# Altium PCB PCB2.PcbDoc (part 9 of 16) (continued)
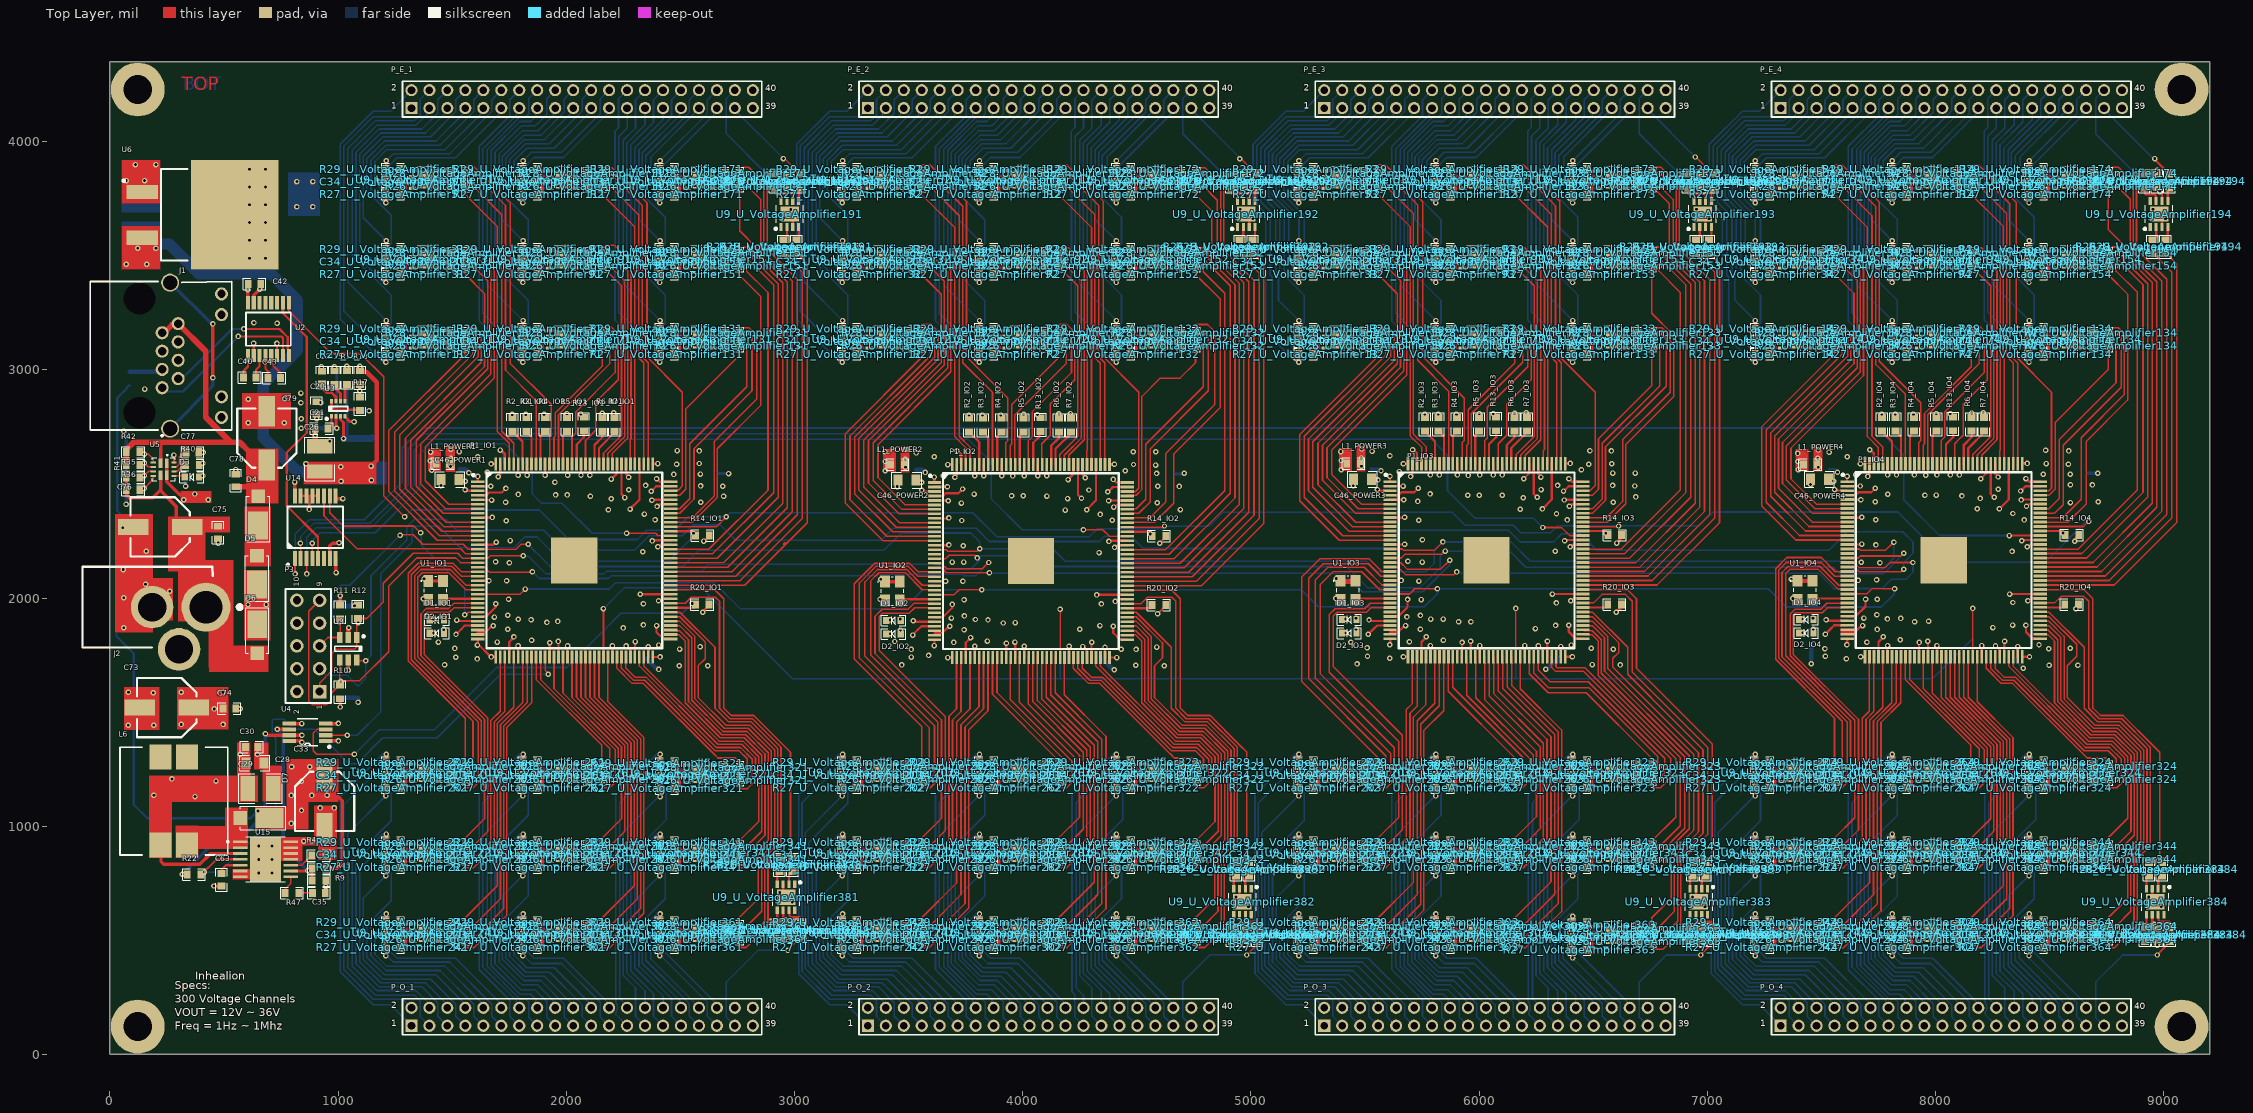
[diagram p0: Top Layer view]
## Nets (pads, with @x,y where several pads share a name; then routed paths per layer and width w, separated by ;. In a path a pad name is that pad's centre, name@x,y a point inside that pad or via, vN(x,y) a via of type N, cw(c..) or ccw(c..) an arc to the next point about the centre after c; other vN are vias at no path point) (continued)
  Top Layer w10: U9_U_VoltageAmplifier381.4@2924.49,745.59 2924.49,791.42 2934.49,801.42 R28_U_VoltageAmplifier381.2@2934.67,801.42
NetR28_U_VoltageAmplifier382_2: R28_U_VoltageAmplifier382.2 U9_U_VoltageAmplifier382.4 | length 60.2
  Top Layer w10: U9_U_VoltageAmplifier382.4@4924.49,725.59 4924.49,771.42 4934.49,781.42 R28_U_VoltageAmplifier382.2@4934.67,781.42
NetR28_U_VoltageAmplifier383_2: R28_U_VoltageAmplifier383.2 U9_U_VoltageAmplifier383.4 | length 60.2
  Top Layer w10: U9_U_VoltageAmplifier383.4@6924.49,725.59 6924.49,771.42 6934.49,781.42 R28_U_VoltageAmplifier383.2@6934.67,781.42
NetR28_U_VoltageAmplifier384_2: R28_U_VoltageAmplifier384.2 U9_U_VoltageAmplifier384.4 | length 60.2
  Top Layer w10: U9_U_VoltageAmplifier384.4@8924.49,725.59 8924.49,771.42 8934.49,781.42 R28_U_VoltageAmplifier384.2@8934.67,781.42
NetR29_U_VoltageAmplifier11_1: R29_U_VoltageAmplifier11.1 U9_U_VoltageAmplifier11.5 | length 59.8
  Top Layer w10: R29_U_VoltageAmplifier11.1@1270.09,3179.18 1276.91,3172.36 U9_U_VoltageAmplifier11.5@1327.09,3172.36
NetR29_U_VoltageAmplifier12_1: R29_U_VoltageAmplifier12.1 U9_U_VoltageAmplifier12.5 | length 59.8
  Top Layer w10: R29_U_VoltageAmplifier12.1@3270.09,3179.18 3276.91,3172.36 U9_U_VoltageAmplifier12.5@3327.09,3172.36
NetR29_U_VoltageAmplifier13_1: R29_U_VoltageAmplifier13.1 U9_U_VoltageAmplifier13.5 | length 59.8
  Top Layer w10: R29_U_VoltageAmplifier13.1@5270.09,3179.18 5276.91,3172.36 U9_U_VoltageAmplifier13.5@5327.09,3172.36
NetR29_U_VoltageAmplifier14_1: R29_U_VoltageAmplifier14.1 U9_U_VoltageAmplifier14.5 | length 59.8
  Top Layer w10: R29_U_VoltageAmplifier14.1@7270.09,3179.18 7276.91,3172.36 U9_U_VoltageAmplifier14.5@7327.09,3172.36
NetR29_U_VoltageAmplifier21_1: R29_U_VoltageAmplifier21.1 U9_U_VoltageAmplifier21.5 | length 69.4
  Bottom Layer w10: R29_U_VoltageAmplifier21.1@1270.09,3069.18 1270.09,3071.68 1294,3095.59 U9_U_VoltageAmplifier21.5@1327.09,3095.59
NetR29_U_VoltageAmplifier22_1: R29_U_VoltageAmplifier22.1 U9_U_VoltageAmplifier22.5 | length 69.4
  Bottom Layer w10: R29_U_VoltageAmplifier22.1@3270.09,3069.18 3270.09,3071.68 3294,3095.59 U9_U_VoltageAmplifier22.5@3327.09,3095.59
NetR29_U_VoltageAmplifier23_1: R29_U_VoltageAmplifier23.1 U9_U_VoltageAmplifier23.5 | length 69.4
  Bottom Layer w10: R29_U_VoltageAmplifier23.1@5270.09,3069.18 5270.09,3071.68 5294,3095.59 U9_U_VoltageAmplifier23.5@5327.09,3095.59
NetR29_U_VoltageAmplifier24_1: R29_U_VoltageAmplifier24.1 U9_U_VoltageAmplifier24.5 | length 69.4
  Bottom Layer w10: R29_U_VoltageAmplifier24.1@7270.09,3069.18 7270.09,3071.68 7294,3095.59 U9_U_VoltageAmplifier24.5@7327.09,3095.59
NetR29_U_VoltageAmplifier31_1: R29_U_VoltageAmplifier31.1 U9_U_VoltageAmplifier31.5 | length 59.8
  Top Layer w10: R29_U_VoltageAmplifier31.1@1270.09,3529.18 1276.91,3522.36 U9_U_VoltageAmplifier31.5@1327.09,3522.36
NetR29_U_VoltageAmplifier32_1: R29_U_VoltageAmplifier32.1 U9_U_VoltageAmplifier32.5 | length 59.8
  Top Layer w10: R29_U_VoltageAmplifier32.1@3270.09,3529.18 3276.91,3522.36 U9_U_VoltageAmplifier32.5@3327.09,3522.36
NetR29_U_VoltageAmplifier33_1: R29_U_VoltageAmplifier33.1 U9_U_VoltageAmplifier33.5 | length 59.8
  Top Layer w10: R29_U_VoltageAmplifier33.1@5270.09,3529.18 5276.91,3522.36 U9_U_VoltageAmplifier33.5@5327.09,3522.36
NetR29_U_VoltageAmplifier34_1: R29_U_VoltageAmplifier34.1 U9_U_VoltageAmplifier34.5 | length 59.8
  Top Layer w10: R29_U_VoltageAmplifier34.1@7270.09,3529.18 7276.91,3522.36 U9_U_VoltageAmplifier34.5@7327.09,3522.36
NetR29_U_VoltageAmplifier41_1: R29_U_VoltageAmplifier41.1 U9_U_VoltageAmplifier41.5 | length 69.4
  Bottom Layer w10: R29_U_VoltageAmplifier41.1@1270.09,3419.18 1270.09,3421.68 1294,3445.59 U9_U_VoltageAmplifier41.5@1327.09,3445.59
NetR29_U_VoltageAmplifier42_1: R29_U_VoltageAmplifier42.1 U9_U_VoltageAmplifier42.5 | length 69.4
  Bottom Layer w10: R29_U_VoltageAmplifier42.1@3270.09,3419.18 3270.09,3421.68 3294,3445.59 U9_U_VoltageAmplifier42.5@3327.09,3445.59
NetR29_U_VoltageAmplifier43_1: R29_U_VoltageAmplifier43.1 U9_U_VoltageAmplifier43.5 | length 69.4
  Bottom Layer w10: R29_U_VoltageAmplifier43.1@5270.09,3419.18 5270.09,3421.68 5294,3445.59 U9_U_VoltageAmplifier43.5@5327.09,3445.59
NetR29_U_VoltageAmplifier44_1: R29_U_VoltageAmplifier44.1 U9_U_VoltageAmplifier44.5 | length 69.4
  Bottom Layer w10: R29_U_VoltageAmplifier44.1@7270.09,3419.18 7270.09,3421.68 7294,3445.59 U9_U_VoltageAmplifier44.5@7327.09,3445.59
NetR29_U_VoltageAmplifier51_1: R29_U_VoltageAmplifier51.1 U9_U_VoltageAmplifier51.5 | length 59.8
  Top Layer w10: R29_U_VoltageAmplifier51.1@1270.09,3879.18 1276.91,3872.36 U9_U_VoltageAmplifier51.5@1327.09,3872.36
NetR29_U_VoltageAmplifier52_1: R29_U_VoltageAmplifier52.1 U9_U_VoltageAmplifier52.5 | length 59.8
  Top Layer w10: R29_U_VoltageAmplifier52.1@3270.09,3879.18 3276.91,3872.36 U9_U_VoltageAmplifier52.5@3327.09,3872.36
NetR29_U_VoltageAmplifier53_1: R29_U_VoltageAmplifier53.1 U9_U_VoltageAmplifier53.5 | length 59.8
  Top Layer w10: R29_U_VoltageAmplifier53.1@5270.09,3879.18 5276.91,3872.36 U9_U_VoltageAmplifier53.5@5327.09,3872.36
NetR29_U_VoltageAmplifier54_1: R29_U_VoltageAmplifier54.1 U9_U_VoltageAmplifier54.5 | length 59.8
  Top Layer w10: R29_U_VoltageAmplifier54.1@7270.09,3879.18 7276.91,3872.36 U9_U_VoltageAmplifier54.5@7327.09,3872.36
NetR29_U_VoltageAmplifier61_1: R29_U_VoltageAmplifier61.1 U9_U_VoltageAmplifier61.5 | length 69.4
  Bottom Layer w10: R29_U_VoltageAmplifier61.1@1270.09,3769.18 1270.09,3771.68 1294,3795.59 U9_U_VoltageAmplifier61.5@1327.09,3795.59
NetR29_U_VoltageAmplifier62_1: R29_U_VoltageAmplifier62.1 U9_U_VoltageAmplifier62.5 | length 69.4
  Bottom Layer w10: R29_U_VoltageAmplifier62.1@3270.09,3769.18 3270.09,3771.68 3294,3795.59 U9_U_VoltageAmplifier62.5@3327.09,3795.59
NetR29_U_VoltageAmplifier63_1: R29_U_VoltageAmplifier63.1 U9_U_VoltageAmplifier63.5 | length 69.4
  Bottom Layer w10: R29_U_VoltageAmplifier63.1@5270.09,3769.18 5270.09,3771.68 5294,3795.59 U9_U_VoltageAmplifier63.5@5327.09,3795.59
NetR29_U_VoltageAmplifier64_1: R29_U_VoltageAmplifier64.1 U9_U_VoltageAmplifier64.5 | length 69.4
  Bottom Layer w10: R29_U_VoltageAmplifier64.1@7270.09,3769.18 7270.09,3771.68 7294,3795.59 U9_U_VoltageAmplifier64.5@7327.09,3795.59
NetR29_U_VoltageAmplifier71_1: R29_U_VoltageAmplifier71.1 U9_U_VoltageAmplifier71.5 | length 59.8
  Top Layer w10: R29_U_VoltageAmplifier71.1@1870.09,3179.18 1876.91,3172.36 U9_U_VoltageAmplifier71.5@1927.09,3172.36
NetR29_U_VoltageAmplifier72_1: R29_U_VoltageAmplifier72.1 U9_U_VoltageAmplifier72.5 | length 59.8
  Top Layer w10: R29_U_VoltageAmplifier72.1@3870.09,3179.18 3876.91,3172.36 U9_U_VoltageAmplifier72.5@3927.09,3172.36
NetR29_U_VoltageAmplifier73_1: R29_U_VoltageAmplifier73.1 U9_U_VoltageAmplifier73.5 | length 59.8
  Top Layer w10: R29_U_VoltageAmplifier73.1@5870.09,3179.18 5876.91,3172.36 U9_U_VoltageAmplifier73.5@5927.09,3172.36
NetR29_U_VoltageAmplifier74_1: R29_U_VoltageAmplifier74.1 U9_U_VoltageAmplifier74.5 | length 59.8
  Top Layer w10: R29_U_VoltageAmplifier74.1@7870.09,3179.18 7876.91,3172.36 U9_U_VoltageAmplifier74.5@7927.09,3172.36
NetR29_U_VoltageAmplifier81_1: R29_U_VoltageAmplifier81.1 U9_U_VoltageAmplifier81.5 | length 69.4
  Bottom Layer w10: R29_U_VoltageAmplifier81.1@1870.09,3069.18 1870.09,3071.68 1894,3095.59 U9_U_VoltageAmplifier81.5@1927.09,3095.59
NetR29_U_VoltageAmplifier82_1: R29_U_VoltageAmplifier82.1 U9_U_VoltageAmplifier82.5 | length 69.4
  Bottom Layer w10: R29_U_VoltageAmplifier82.1@3870.09,3069.18 3870.09,3071.68 3894,3095.59 U9_U_VoltageAmplifier82.5@3927.09,3095.59
NetR29_U_VoltageAmplifier83_1: R29_U_VoltageAmplifier83.1 U9_U_VoltageAmplifier83.5 | length 69.4
  Bottom Layer w10: R29_U_VoltageAmplifier83.1@5870.09,3069.18 5870.09,3071.68 5894,3095.59 U9_U_VoltageAmplifier83.5@5927.09,3095.59
NetR29_U_VoltageAmplifier84_1: R29_U_VoltageAmplifier84.1 U9_U_VoltageAmplifier84.5 | length 69.4
  Bottom Layer w10: R29_U_VoltageAmplifier84.1@7870.09,3069.18 7870.09,3071.68 7894,3095.59 U9_U_VoltageAmplifier84.5@7927.09,3095.59
NetR29_U_VoltageAmplifier91_1: R29_U_VoltageAmplifier91.1 U9_U_VoltageAmplifier91.5 | length 59.8
  Top Layer w10: R29_U_VoltageAmplifier91.1@1870.09,3529.18 1876.91,3522.36 U9_U_VoltageAmplifier91.5@1927.09,3522.36
NetR29_U_VoltageAmplifier92_1: R29_U_VoltageAmplifier92.1 U9_U_VoltageAmplifier92.5 | length 59.8
  Top Layer w10: R29_U_VoltageAmplifier92.1@3870.09,3529.18 3876.91,3522.36 U9_U_VoltageAmplifier92.5@3927.09,3522.36
NetR29_U_VoltageAmplifier93_1: R29_U_VoltageAmplifier93.1 U9_U_VoltageAmplifier93.5 | length 59.8
  Top Layer w10: R29_U_VoltageAmplifier93.1@5870.09,3529.18 5876.91,3522.36 U9_U_VoltageAmplifier93.5@5927.09,3522.36
NetR29_U_VoltageAmplifier94_1: R29_U_VoltageAmplifier94.1 U9_U_VoltageAmplifier94.5 | length 59.8
  Top Layer w10: R29_U_VoltageAmplifier94.1@7870.09,3529.18 7876.91,3522.36 U9_U_VoltageAmplifier94.5@7927.09,3522.36
NetR29_U_VoltageAmplifier101_1: R29_U_VoltageAmplifier101.1 U9_U_VoltageAmplifier101.5 | length 69.4
  Bottom Layer w10: R29_U_VoltageAmplifier101.1@1870.09,3419.18 1870.09,3421.68 1894,3445.59 U9_U_VoltageAmplifier101.5@1927.09,3445.59
NetR29_U_VoltageAmplifier102_1: R29_U_VoltageAmplifier102.1 U9_U_VoltageAmplifier102.5 | length 69.4
  Bottom Layer w10: R29_U_VoltageAmplifier102.1@3870.09,3419.18 3870.09,3421.68 3894,3445.59 U9_U_VoltageAmplifier102.5@3927.09,3445.59
NetR29_U_VoltageAmplifier103_1: R29_U_VoltageAmplifier103.1 U9_U_VoltageAmplifier103.5 | length 69.4
  Bottom Layer w10: R29_U_VoltageAmplifier103.1@5870.09,3419.18 5870.09,3421.68 5894,3445.59 U9_U_VoltageAmplifier103.5@5927.09,3445.59
NetR29_U_VoltageAmplifier104_1: R29_U_VoltageAmplifier104.1 U9_U_VoltageAmplifier104.5 | length 69.4
  Bottom Layer w10: R29_U_VoltageAmplifier104.1@7870.09,3419.18 7870.09,3421.68 7894,3445.59 U9_U_VoltageAmplifier104.5@7927.09,3445.59
NetR29_U_VoltageAmplifier111_1: R29_U_VoltageAmplifier111.1 U9_U_VoltageAmplifier111.5 | length 59.8
  Top Layer w10: R29_U_VoltageAmplifier111.1@1870.09,3879.18 1876.91,3872.36 U9_U_VoltageAmplifier111.5@1927.09,3872.36
NetR29_U_VoltageAmplifier112_1: R29_U_VoltageAmplifier112.1 U9_U_VoltageAmplifier112.5 | length 59.8
  Top Layer w10: R29_U_VoltageAmplifier112.1@3870.09,3879.18 3876.91,3872.36 U9_U_VoltageAmplifier112.5@3927.09,3872.36
NetR29_U_VoltageAmplifier113_1: R29_U_VoltageAmplifier113.1 U9_U_VoltageAmplifier113.5 | length 59.8
  Top Layer w10: R29_U_VoltageAmplifier113.1@5870.09,3879.18 5876.91,3872.36 U9_U_VoltageAmplifier113.5@5927.09,3872.36
NetR29_U_VoltageAmplifier114_1: R29_U_VoltageAmplifier114.1 U9_U_VoltageAmplifier114.5 | length 59.8
  Top Layer w10: R29_U_VoltageAmplifier114.1@7870.09,3879.18 7876.91,3872.36 U9_U_VoltageAmplifier114.5@7927.09,3872.36
NetR29_U_VoltageAmplifier121_1: R29_U_VoltageAmplifier121.1 U9_U_VoltageAmplifier121.5 | length 69.4
  Bottom Layer w10: R29_U_VoltageAmplifier121.1@1870.09,3769.18 1870.09,3771.68 1894,3795.59 U9_U_VoltageAmplifier121.5@1927.09,3795.59
NetR29_U_VoltageAmplifier122_1: R29_U_VoltageAmplifier122.1 U9_U_VoltageAmplifier122.5 | length 69.4
  Bottom Layer w10: R29_U_VoltageAmplifier122.1@3870.09,3769.18 3870.09,3771.68 3894,3795.59 U9_U_VoltageAmplifier122.5@3927.09,3795.59
NetR29_U_VoltageAmplifier123_1: R29_U_VoltageAmplifier123.1 U9_U_VoltageAmplifier123.5 | length 69.4
  Bottom Layer w10: R29_U_VoltageAmplifier123.1@5870.09,3769.18 5870.09,3771.68 5894,3795.59 U9_U_VoltageAmplifier123.5@5927.09,3795.59
NetR29_U_VoltageAmplifier124_1: R29_U_VoltageAmplifier124.1 U9_U_VoltageAmplifier124.5 | length 69.4
  Bottom Layer w10: R29_U_VoltageAmplifier124.1@7870.09,3769.18 7870.09,3771.68 7894,3795.59 U9_U_VoltageAmplifier124.5@7927.09,3795.59
NetR29_U_VoltageAmplifier131_1: R29_U_VoltageAmplifier131.1 U9_U_VoltageAmplifier131.5 | length 59.8
  Top Layer w10: R29_U_VoltageAmplifier131.1@2470.09,3179.18 2476.91,3172.36 U9_U_VoltageAmplifier131.5@2527.09,3172.36
NetR29_U_VoltageAmplifier132_1: R29_U_VoltageAmplifier132.1 U9_U_VoltageAmplifier132.5 | length 59.8
  Top Layer w10: R29_U_VoltageAmplifier132.1@4470.09,3179.18 4476.91,3172.36 U9_U_VoltageAmplifier132.5@4527.09,3172.36
NetR29_U_VoltageAmplifier133_1: R29_U_VoltageAmplifier133.1 U9_U_VoltageAmplifier133.5 | length 59.8
  Top Layer w10: R29_U_VoltageAmplifier133.1@6470.09,3179.18 6476.91,3172.36 U9_U_VoltageAmplifier133.5@6527.09,3172.36
NetR29_U_VoltageAmplifier134_1: R29_U_VoltageAmplifier134.1 U9_U_VoltageAmplifier134.5 | length 59.8
  Top Layer w10: R29_U_VoltageAmplifier134.1@8470.09,3179.18 8476.91,3172.36 U9_U_VoltageAmplifier134.5@8527.09,3172.36
NetR29_U_VoltageAmplifier141_1: R29_U_VoltageAmplifier141.1 U9_U_VoltageAmplifier141.5 | length 69.4
  Bottom Layer w10: R29_U_VoltageAmplifier141.1@2470.09,3069.18 2470.09,3071.68 2494,3095.59 U9_U_VoltageAmplifier141.5@2527.09,3095.59
NetR29_U_VoltageAmplifier142_1: R29_U_VoltageAmplifier142.1 U9_U_VoltageAmplifier142.5 | length 69.4
  Bottom Layer w10: R29_U_VoltageAmplifier142.1@4470.09,3069.18 4470.09,3071.68 4494,3095.59 U9_U_VoltageAmplifier142.5@4527.09,3095.59
NetR29_U_VoltageAmplifier143_1: R29_U_VoltageAmplifier143.1 U9_U_VoltageAmplifier143.5 | length 69.4
  Bottom Layer w10: R29_U_VoltageAmplifier143.1@6470.09,3069.18 6470.09,3071.68 6494,3095.59 U9_U_VoltageAmplifier143.5@6527.09,3095.59
NetR29_U_VoltageAmplifier144_1: R29_U_VoltageAmplifier144.1 U9_U_VoltageAmplifier144.5 | length 69.4
  Bottom Layer w10: R29_U_VoltageAmplifier144.1@8470.09,3069.18 8470.09,3071.68 8494,3095.59 U9_U_VoltageAmplifier144.5@8527.09,3095.59
NetR29_U_VoltageAmplifier151_1: R29_U_VoltageAmplifier151.1 U9_U_VoltageAmplifier151.5 | length 59.8
  Top Layer w10: R29_U_VoltageAmplifier151.1@2470.09,3529.18 2476.91,3522.36 U9_U_VoltageAmplifier151.5@2527.09,3522.36
NetR29_U_VoltageAmplifier152_1: R29_U_VoltageAmplifier152.1 U9_U_VoltageAmplifier152.5 | length 59.8
  Top Layer w10: R29_U_VoltageAmplifier152.1@4470.09,3529.18 4476.91,3522.36 U9_U_VoltageAmplifier152.5@4527.09,3522.36
NetR29_U_VoltageAmplifier153_1: R29_U_VoltageAmplifier153.1 U9_U_VoltageAmplifier153.5 | length 59.8
  Top Layer w10: R29_U_VoltageAmplifier153.1@6470.09,3529.18 6476.91,3522.36 U9_U_VoltageAmplifier153.5@6527.09,3522.36
NetR29_U_VoltageAmplifier154_1: R29_U_VoltageAmplifier154.1 U9_U_VoltageAmplifier154.5 | length 59.8
  Top Layer w10: R29_U_VoltageAmplifier154.1@8470.09,3529.18 8476.91,3522.36 U9_U_VoltageAmplifier154.5@8527.09,3522.36
NetR29_U_VoltageAmplifier161_1: R29_U_VoltageAmplifier161.1 U9_U_VoltageAmplifier161.5 | length 69.4
  Bottom Layer w10: R29_U_VoltageAmplifier161.1@2470.09,3419.18 2470.09,3421.68 2494,3445.59 U9_U_VoltageAmplifier161.5@2527.09,3445.59
NetR29_U_VoltageAmplifier162_1: R29_U_VoltageAmplifier162.1 U9_U_VoltageAmplifier162.5 | length 69.4
  Bottom Layer w10: R29_U_VoltageAmplifier162.1@4470.09,3419.18 4470.09,3421.68 4494,3445.59 U9_U_VoltageAmplifier162.5@4527.09,3445.59
NetR29_U_VoltageAmplifier163_1: R29_U_VoltageAmplifier163.1 U9_U_VoltageAmplifier163.5 | length 69.4
  Bottom Layer w10: R29_U_VoltageAmplifier163.1@6470.09,3419.18 6470.09,3421.68 6494,3445.59 U9_U_VoltageAmplifier163.5@6527.09,3445.59
NetR29_U_VoltageAmplifier164_1: R29_U_VoltageAmplifier164.1 U9_U_VoltageAmplifier164.5 | length 69.4
  Bottom Layer w10: R29_U_VoltageAmplifier164.1@8470.09,3419.18 8470.09,3421.68 8494,3445.59 U9_U_VoltageAmplifier164.5@8527.09,3445.59
NetR29_U_VoltageAmplifier171_1: R29_U_VoltageAmplifier171.1 U9_U_VoltageAmplifier171.5 | length 59.8
  Top Layer w10: R29_U_VoltageAmplifier171.1@2470.09,3879.18 2476.91,3872.36 U9_U_VoltageAmplifier171.5@2527.09,3872.36
NetR29_U_VoltageAmplifier172_1: R29_U_VoltageAmplifier172.1 U9_U_VoltageAmplifier172.5 | length 59.8
  Top Layer w10: R29_U_VoltageAmplifier172.1@4470.09,3879.18 4476.91,3872.36 U9_U_VoltageAmplifier172.5@4527.09,3872.36
NetR29_U_VoltageAmplifier173_1: R29_U_VoltageAmplifier173.1 U9_U_VoltageAmplifier173.5 | length 59.8
  Top Layer w10: R29_U_VoltageAmplifier173.1@6470.09,3879.18 6476.91,3872.36 U9_U_VoltageAmplifier173.5@6527.09,3872.36
NetR29_U_VoltageAmplifier174_1: R29_U_VoltageAmplifier174.1 U9_U_VoltageAmplifier174.5 | length 59.8
  Top Layer w10: R29_U_VoltageAmplifier174.1@8470.09,3879.18 8476.91,3872.36 U9_U_VoltageAmplifier174.5@8527.09,3872.36
NetR29_U_VoltageAmplifier181_1: R29_U_VoltageAmplifier181.1 U9_U_VoltageAmplifier181.5 | length 69.4
  Bottom Layer w10: R29_U_VoltageAmplifier181.1@2470.09,3769.18 2470.09,3771.68 2494,3795.59 U9_U_VoltageAmplifier181.5@2527.09,3795.59
NetR29_U_VoltageAmplifier182_1: R29_U_VoltageAmplifier182.1 U9_U_VoltageAmplifier182.5 | length 69.4
  Bottom Layer w10: R29_U_VoltageAmplifier182.1@4470.09,3769.18 4470.09,3771.68 4494,3795.59 U9_U_VoltageAmplifier182.5@4527.09,3795.59
NetR29_U_VoltageAmplifier183_1: R29_U_VoltageAmplifier183.1 U9_U_VoltageAmplifier183.5 | length 69.4
  Bottom Layer w10: R29_U_VoltageAmplifier183.1@6470.09,3769.18 6470.09,3771.68 6494,3795.59 U9_U_VoltageAmplifier183.5@6527.09,3795.59
NetR29_U_VoltageAmplifier184_1: R29_U_VoltageAmplifier184.1 U9_U_VoltageAmplifier184.5 | length 69.4
  Bottom Layer w10: R29_U_VoltageAmplifier184.1@8470.09,3769.18 8470.09,3771.68 8494,3795.59 U9_U_VoltageAmplifier184.5@8527.09,3795.59
NetR29_U_VoltageAmplifier191_1: R29_U_VoltageAmplifier191.1 U9_U_VoltageAmplifier191.5 | length 59.8
  Top Layer w10: U9_U_VoltageAmplifier191.5@3018.03,3739.76 3018.03,3789.94 R29_U_VoltageAmplifier191.1@3024.85,3796.76
NetR29_U_VoltageAmplifier192_1: R29_U_VoltageAmplifier192.1 U9_U_VoltageAmplifier192.5 | length 59.8
  Top Layer w10: U9_U_VoltageAmplifier192.5@5018.03,3739.76 5018.03,3789.94 R29_U_VoltageAmplifier192.1@5024.85,3796.76
NetR29_U_VoltageAmplifier193_1: R29_U_VoltageAmplifier193.1 U9_U_VoltageAmplifier193.5 | length 59.8
  Top Layer w10: U9_U_VoltageAmplifier193.5@7018.03,3739.76 7018.03,3789.94 R29_U_VoltageAmplifier193.1@7024.85,3796.76
NetR29_U_VoltageAmplifier194_1: R29_U_VoltageAmplifier194.1 U9_U_VoltageAmplifier194.5 | length 59.8
  Top Layer w10: U9_U_VoltageAmplifier194.5@9018.03,3739.76 9018.03,3789.94 R29_U_VoltageAmplifier194.1@9024.85,3796.76
NetR29_U_VoltageAmplifier201_1: R29_U_VoltageAmplifier201.1 U9_U_VoltageAmplifier201.5 | length 59.8
  Top Layer w10: R29_U_VoltageAmplifier201.1@1270.09,1279.18 1276.91,1272.36 U9_U_VoltageAmplifier201.5@1327.09,1272.36
NetR29_U_VoltageAmplifier202_1: R29_U_VoltageAmplifier202.1 U9_U_VoltageAmplifier202.5 | length 59.8
  Top Layer w10: R29_U_VoltageAmplifier202.1@3270.09,1279.18 3276.91,1272.36 U9_U_VoltageAmplifier202.5@3327.09,1272.36
NetR29_U_VoltageAmplifier203_1: R29_U_VoltageAmplifier203.1 U9_U_VoltageAmplifier203.5 | length 59.8
  Top Layer w10: R29_U_VoltageAmplifier203.1@5270.09,1279.18 5276.91,1272.36 U9_U_VoltageAmplifier203.5@5327.09,1272.36
NetR29_U_VoltageAmplifier204_1: R29_U_VoltageAmplifier204.1 U9_U_VoltageAmplifier204.5 | length 59.8
  Top Layer w10: R29_U_VoltageAmplifier204.1@7270.09,1279.18 7276.91,1272.36 U9_U_VoltageAmplifier204.5@7327.09,1272.36
NetR29_U_VoltageAmplifier211_1: R29_U_VoltageAmplifier211.1 U9_U_VoltageAmplifier211.5 | length 69.4
  Bottom Layer w10: R29_U_VoltageAmplifier211.1@1270.09,1169.18 1270.09,1171.68 1294,1195.59 U9_U_VoltageAmplifier211.5@1327.09,1195.59
NetR29_U_VoltageAmplifier212_1: R29_U_VoltageAmplifier212.1 U9_U_VoltageAmplifier212.5 | length 69.4
  Bottom Layer w10: R29_U_VoltageAmplifier212.1@3270.09,1169.18 3270.09,1171.68 3294,1195.59 U9_U_VoltageAmplifier212.5@3327.09,1195.59
NetR29_U_VoltageAmplifier213_1: R29_U_VoltageAmplifier213.1 U9_U_VoltageAmplifier213.5 | length 69.4
  Bottom Layer w10: R29_U_VoltageAmplifier213.1@5270.09,1169.18 5270.09,1171.68 5294,1195.59 U9_U_VoltageAmplifier213.5@5327.09,1195.59
NetR29_U_VoltageAmplifier214_1: R29_U_VoltageAmplifier214.1 U9_U_VoltageAmplifier214.5 | length 69.4
  Bottom Layer w10: R29_U_VoltageAmplifier214.1@7270.09,1169.18 7270.09,1171.68 7294,1195.59 U9_U_VoltageAmplifier214.5@7327.09,1195.59
NetR29_U_VoltageAmplifier221_1: R29_U_VoltageAmplifier221.1 U9_U_VoltageAmplifier221.5 | length 59.8
  Top Layer w10: R29_U_VoltageAmplifier221.1@1270.09,929.18 1276.91,922.36 U9_U_VoltageAmplifier221.5@1327.09,922.36
NetR29_U_VoltageAmplifier222_1: R29_U_VoltageAmplifier222.1 U9_U_VoltageAmplifier222.5 | length 59.8
  Top Layer w10: R29_U_VoltageAmplifier222.1@3270.09,929.18 3276.91,922.36 U9_U_VoltageAmplifier222.5@3327.09,922.36
NetR29_U_VoltageAmplifier223_1: R29_U_VoltageAmplifier223.1 U9_U_VoltageAmplifier223.5 | length 59.8
  Top Layer w10: R29_U_VoltageAmplifier223.1@5270.09,929.18 5276.91,922.36 U9_U_VoltageAmplifier223.5@5327.09,922.36
NetR29_U_VoltageAmplifier224_1: R29_U_VoltageAmplifier224.1 U9_U_VoltageAmplifier224.5 | length 59.8
  Top Layer w10: R29_U_VoltageAmplifier224.1@7270.09,929.18 7276.91,922.36 U9_U_VoltageAmplifier224.5@7327.09,922.36
NetR29_U_VoltageAmplifier231_1: R29_U_VoltageAmplifier231.1 U9_U_VoltageAmplifier231.5 | length 69.4
  Bottom Layer w10: R29_U_VoltageAmplifier231.1@1270.09,819.18 1270.09,821.68 1294,845.59 U9_U_VoltageAmplifier231.5@1327.09,845.59
NetR29_U_VoltageAmplifier232_1: R29_U_VoltageAmplifier232.1 U9_U_VoltageAmplifier232.5 | length 69.4
  Bottom Layer w10: R29_U_VoltageAmplifier232.1@3270.09,819.18 3270.09,821.68 3294,845.59 U9_U_VoltageAmplifier232.5@3327.09,845.59
NetR29_U_VoltageAmplifier233_1: R29_U_VoltageAmplifier233.1 U9_U_VoltageAmplifier233.5 | length 69.4
  Bottom Layer w10: R29_U_VoltageAmplifier233.1@5270.09,819.18 5270.09,821.68 5294,845.59 U9_U_VoltageAmplifier233.5@5327.09,845.59
NetR29_U_VoltageAmplifier234_1: R29_U_VoltageAmplifier234.1 U9_U_VoltageAmplifier234.5 | length 69.4
  Bottom Layer w10: R29_U_VoltageAmplifier234.1@7270.09,819.18 7270.09,821.68 7294,845.59 U9_U_VoltageAmplifier234.5@7327.09,845.59
NetR29_U_VoltageAmplifier241_1: R29_U_VoltageAmplifier241.1 U9_U_VoltageAmplifier241.5 | length 59.8
  Top Layer w10: R29_U_VoltageAmplifier241.1@1270.09,579.18 1276.91,572.36 U9_U_VoltageAmplifier241.5@1327.09,572.36
NetR29_U_VoltageAmplifier242_1: R29_U_VoltageAmplifier242.1 U9_U_VoltageAmplifier242.5 | length 59.8
  Top Layer w10: R29_U_VoltageAmplifier242.1@3270.09,579.18 3276.91,572.36 U9_U_VoltageAmplifier242.5@3327.09,572.36
NetR29_U_VoltageAmplifier243_1: R29_U_VoltageAmplifier243.1 U9_U_VoltageAmplifier243.5 | length 59.8
  Top Layer w10: R29_U_VoltageAmplifier243.1@5270.09,579.18 5276.91,572.36 U9_U_VoltageAmplifier243.5@5327.09,572.36
NetR29_U_VoltageAmplifier244_1: R29_U_VoltageAmplifier244.1 U9_U_VoltageAmplifier244.5 | length 59.8
  Top Layer w10: R29_U_VoltageAmplifier244.1@7270.09,579.18 7276.91,572.36 U9_U_VoltageAmplifier244.5@7327.09,572.36
NetR29_U_VoltageAmplifier251_1: R29_U_VoltageAmplifier251.1 U9_U_VoltageAmplifier251.5 | length 69.4
  Bottom Layer w10: R29_U_VoltageAmplifier251.1@1270.09,469.18 1270.09,471.68 1294,495.59 U9_U_VoltageAmplifier251.5@1327.09,495.59
NetR29_U_VoltageAmplifier252_1: R29_U_VoltageAmplifier252.1 U9_U_VoltageAmplifier252.5 | length 69.4
  Bottom Layer w10: R29_U_VoltageAmplifier252.1@3270.09,469.18 3270.09,471.68 3294,495.59 U9_U_VoltageAmplifier252.5@3327.09,495.59
NetR29_U_VoltageAmplifier253_1: R29_U_VoltageAmplifier253.1 U9_U_VoltageAmplifier253.5 | length 69.4
  Bottom Layer w10: R29_U_VoltageAmplifier253.1@5270.09,469.18 5270.09,471.68 5294,495.59 U9_U_VoltageAmplifier253.5@5327.09,495.59
NetR29_U_VoltageAmplifier254_1: R29_U_VoltageAmplifier254.1 U9_U_VoltageAmplifier254.5 | length 69.4
  Bottom Layer w10: R29_U_VoltageAmplifier254.1@7270.09,469.18 7270.09,471.68 7294,495.59 U9_U_VoltageAmplifier254.5@7327.09,495.59
NetR29_U_VoltageAmplifier261_1: R29_U_VoltageAmplifier261.1 U9_U_VoltageAmplifier261.5 | length 59.8
  Top Layer w10: R29_U_VoltageAmplifier261.1@1870.09,1279.18 1876.91,1272.36 U9_U_VoltageAmplifier261.5@1927.09,1272.36
NetR29_U_VoltageAmplifier262_1: R29_U_VoltageAmplifier262.1 U9_U_VoltageAmplifier262.5 | length 59.8
  Top Layer w10: R29_U_VoltageAmplifier262.1@3870.09,1279.18 3876.91,1272.36 U9_U_VoltageAmplifier262.5@3927.09,1272.36
NetR29_U_VoltageAmplifier263_1: R29_U_VoltageAmplifier263.1 U9_U_VoltageAmplifier263.5 | length 59.8
  Top Layer w10: R29_U_VoltageAmplifier263.1@5870.09,1279.18 5876.91,1272.36 U9_U_VoltageAmplifier263.5@5927.09,1272.36
NetR29_U_VoltageAmplifier264_1: R29_U_VoltageAmplifier264.1 U9_U_VoltageAmplifier264.5 | length 59.8
  Top Layer w10: R29_U_VoltageAmplifier264.1@7870.09,1279.18 7876.91,1272.36 U9_U_VoltageAmplifier264.5@7927.09,1272.36
NetR29_U_VoltageAmplifier271_1: R29_U_VoltageAmplifier271.1 U9_U_VoltageAmplifier271.5 | length 69.4
  Bottom Layer w10: R29_U_VoltageAmplifier271.1@1870.09,1169.18 1870.09,1171.68 1894,1195.59 U9_U_VoltageAmplifier271.5@1927.09,1195.59
NetR29_U_VoltageAmplifier272_1: R29_U_VoltageAmplifier272.1 U9_U_VoltageAmplifier272.5 | length 69.4
  Bottom Layer w10: R29_U_VoltageAmplifier272.1@3870.09,1169.18 3870.09,1171.68 3894,1195.59 U9_U_VoltageAmplifier272.5@3927.09,1195.59
NetR29_U_VoltageAmplifier273_1: R29_U_VoltageAmplifier273.1 U9_U_VoltageAmplifier273.5 | length 69.4
  Bottom Layer w10: R29_U_VoltageAmplifier273.1@5870.09,1169.18 5870.09,1171.68 5894,1195.59 U9_U_VoltageAmplifier273.5@5927.09,1195.59
NetR29_U_VoltageAmplifier274_1: R29_U_VoltageAmplifier274.1 U9_U_VoltageAmplifier274.5 | length 69.4
  Bottom Layer w10: R29_U_VoltageAmplifier274.1@7870.09,1169.18 7870.09,1171.68 7894,1195.59 U9_U_VoltageAmplifier274.5@7927.09,1195.59
NetR29_U_VoltageAmplifier281_1: R29_U_VoltageAmplifier281.1 U9_U_VoltageAmplifier281.5 | length 59.8
  Top Layer w10: R29_U_VoltageAmplifier281.1@1870.09,929.18 1876.91,922.36 U9_U_VoltageAmplifier281.5@1927.09,922.36
NetR29_U_VoltageAmplifier282_1: R29_U_VoltageAmplifier282.1 U9_U_VoltageAmplifier282.5 | length 59.8
  Top Layer w10: R29_U_VoltageAmplifier282.1@3870.09,929.18 3876.91,922.36 U9_U_VoltageAmplifier282.5@3927.09,922.36
NetR29_U_VoltageAmplifier283_1: R29_U_VoltageAmplifier283.1 U9_U_VoltageAmplifier283.5 | length 59.8
  Top Layer w10: R29_U_VoltageAmplifier283.1@5870.09,929.18 5876.91,922.36 U9_U_VoltageAmplifier283.5@5927.09,922.36
NetR29_U_VoltageAmplifier284_1: R29_U_VoltageAmplifier284.1 U9_U_VoltageAmplifier284.5 | length 59.8
  Top Layer w10: R29_U_VoltageAmplifier284.1@7870.09,929.18 7876.91,922.36 U9_U_VoltageAmplifier284.5@7927.09,922.36
NetR29_U_VoltageAmplifier291_1: R29_U_VoltageAmplifier291.1 U9_U_VoltageAmplifier291.5 | length 69.4
  Bottom Layer w10: R29_U_VoltageAmplifier291.1@1870.09,819.18 1870.09,821.68 1894,845.59 U9_U_VoltageAmplifier291.5@1927.09,845.59
NetR29_U_VoltageAmplifier292_1: R29_U_VoltageAmplifier292.1 U9_U_VoltageAmplifier292.5 | length 69.4
  Bottom Layer w10: R29_U_VoltageAmplifier292.1@3870.09,819.18 3870.09,821.68 3894,845.59 U9_U_VoltageAmplifier292.5@3927.09,845.59
NetR29_U_VoltageAmplifier293_1: R29_U_VoltageAmplifier293.1 U9_U_VoltageAmplifier293.5 | length 69.4
  Bottom Layer w10: R29_U_VoltageAmplifier293.1@5870.09,819.18 5870.09,821.68 5894,845.59 U9_U_VoltageAmplifier293.5@5927.09,845.59
NetR29_U_VoltageAmplifier294_1: R29_U_VoltageAmplifier294.1 U9_U_VoltageAmplifier294.5 | length 69.4
  Bottom Layer w10: R29_U_VoltageAmplifier294.1@7870.09,819.18 7870.09,821.68 7894,845.59 U9_U_VoltageAmplifier294.5@7927.09,845.59
NetR29_U_VoltageAmplifier301_1: R29_U_VoltageAmplifier301.1 U9_U_VoltageAmplifier301.5 | length 59.8
  Top Layer w10: R29_U_VoltageAmplifier301.1@1870.09,579.18 1876.91,572.36 U9_U_VoltageAmplifier301.5@1927.09,572.36